# Allegro board 8880F5-0823_RXTX.brd (continued)
## Routing (per net, layer and track width the routed paths; a pad name or vN(x,y) marks a point on that pad's centre or on a via; arc(x,y) is an arc through that point) (continued)
183.59,91.44 ; D317.B10 182.88,90.73 ; D317.B10 182.17,91.44 ; D317.B10 182.88,92.15 ; SITE3.G6 253.81,181.33 ; SITE3.G6 252.85,181.33 ; SITE3.G6 253.33,181.81 ; SITE3.G6 253.33,180.85 ; D104.A9 328.47,33.02 ; D104.A9 327.66,33.83 ; D104.A9 327.66,32.21 ; D104.A9 326.85,33.02 ; 30.48,34.75 D128.A8 ; D128.A8 31.29,35.56 ; D128.A8 30.48,36.37 ; D128.A8 29.67,35.56 ; D122.B9 254.81,78.74 ; D122.B9 254,77.93 ; D122.B9 254,79.55 ; D122.B9 253.19,78.74 ; D132.B10 110.03,40.64 ; D132.B10 108.41,40.64 ; D132.B10 109.22,39.83 ; D132.B10 109.22,41.45 ; D116.A5 337.82,397.05 ; D116.A5 338.63,396.24 ; D116.A5 337.82,395.43 ; D116.A5 337.01,396.24 ; 43.18,77.93 D126.B13 ; D126.B13 43.99,78.74 ; D126.B13 43.18,79.55 ; D126.B13 42.37,78.74 ; SITE3.G5 252.33,181.81 ; SITE3.G5 251.85,181.33 ; SITE3.G5 252.81,181.33 ; SITE3.G5 252.33,180.85 ; 100.79,58.42 D131.B7 ; D131.B7 101.6,57.61 ; D131.B7 102.41,58.42 ; D131.B7 101.6,59.23 ; 309.17,66.04 D302.A2 ; D302.A2 309.88,65.33 ; D302.A2 309.88,66.75 ; D302.A2 310.59,66.04 ; 177.8,39.83 D120.B8 ; D120.B8 176.99,40.64 ; D120.B8 177.8,41.45 ; D120.B8 178.61,40.64 ; 327.66,329.39 D113.B9 ; D113.B9 326.85,330.2 ; D113.B9 328.47,330.2 ; D113.B9 327.66,331.01 ; D301.A15 343.61,83.82 ; D301.A15 342.19,83.82 ; D301.A15 342.9,84.53 ; D113.B3 343.71,330.2 ; D113.B3 342.09,330.2 ; D113.B3 342.9,329.39 ; D113.B3 342.9,331.01 ; D108.A12 409.75,35.56 ; D108.A12 408.94,36.37 ; D108.A12 408.94,34.75 ; D108.A12 408.13,35.56 ; D110.B16 384.35,347.98 ; D110.B16 383.54,348.79 ; D110.B16 382.73,347.98 ; D110.B16 383.54,347.17 ; D126.B15 49.07,78.74 ; D126.B15 48.26,79.55 ; D126.B15 48.26,77.93 ; D126.B15 47.45,78.74 ; D119.B1 160.83,58.42 ; D119.B1 160.02,59.23 ; D119.B1 160.02,57.61 ; D119.B1 159.21,58.42 ; D431.B9 181.15,381 ; D431.B9 180.34,381.81 ; D431.B9 180.34,380.19 ; D431.B9 179.53,381 ; 35.56,55.07 D127.A10 ; D127.A10 36.37,55.88 ; D127.A10 35.56,56.69 ; D127.A10 34.75,55.88 ; 249.03,182.35 SITE3.G13 ; SITE3.G13 249.51,182.83 ; SITE3.G13 249.03,183.31 ; SITE3.G13 248.55,182.83 ; D124.B7 248.92,38.91 ; D124.B7 248.11,38.1 ; D124.B7 249.73,38.1 ; D124.B7 248.92,37.29 ; D119.A3 165.91,53.34 ; D119.A3 165.1,54.15 ; D119.A3 164.29,53.34 ; D119.A3 165.1,52.53 ; D110.A12 393.7,353.87 ; D110.A12 392.89,353.06 ; D110.A12 393.7,352.25 ; D110.A12 394.51,353.06 ; 395.43,58.42 D107.B7 ; D107.B7 396.24,57.61 ; D107.B7 396.24,59.23 ; D107.B7 397.05,58.42 ; 414.02,331.93 D109.A4 ; D109.A4 414.83,332.74 ; D109.A4 414.02,333.55 ; D109.A4 413.21,332.74 ; 110.95,38.1 D132.B11 ; D132.B11 111.76,38.91 ; D132.B11 112.57,38.1 ; D132.B11 111.76,37.29 ; D110.A16 384.35,353.06 ; D110.A16 382.73,353.06 ; D110.A16 383.54,352.25 ; D110.A16 383.54,353.87 ; 233.68,57.61 D123.B1 ; D123.B1 234.49,58.42 ; D123.B1 232.87,58.42 ; D123.B1 233.68,59.23 ; D104.B11 333.55,38.1 ; D104.B11 332.74,37.29 ; D104.B11 331.93,38.1 ; CSDPS429.B14 168.45,342.9 ; CSDPS429.B14 166.83,342.9 ; CSDPS429.B14 167.64,343.71 ; CSDPS429.B14 167.64,342.09 ; 411.48,57.61 D107.B13 ; D107.B13 410.67,58.42 ; D107.B13 411.48,59.23 ; D107.B13 412.29,58.42 ; 259.08,62.79 D322.A11 ; D322.A11 259.79,63.5 ; D322.A11 259.08,64.21 ; D322.A11 258.37,63.5 ; D129.A4 94.79,96.52 ; D129.A4 93.17,96.52 ; D129.A4 93.98,95.71 ; D129.A4 93.98,97.33 ; 398.78,80.47 D106.B8 ; D106.B8 398.78,82.09 ; D106.B8 399.59,81.28 ; D106.B8 397.97,81.28 ; D102.B10 331.01,81.28 ; D102.B10 330.2,80.47 ; D102.B10 329.39,81.28 ; D102.B10 330.2,82.09 ; 419.1,70.41 D306.B16 ; D306.B16 419.81,71.12 ; D306.B16 418.39,71.12 ; 391.16,375.11 D111.A13 ; D111.A13 391.97,375.92 ; D111.A13 391.16,376.73 ; D111.A13 390.35,375.92 ; D114.B8 331.01,347.98 ; D114.B8 330.2,347.17 ; D114.B8 329.39,347.98 ; D114.B8 330.2,348.79 ; D114.A2 345.44,353.87 ; D114.A2 346.25,353.06 ; D114.A2 344.63,353.06 ; D114.A2 345.44,352.25 ; 166.83,35.56 D120.A4 ; D120.A4 168.45,35.56 ; D120.A4 167.64,36.37 ; D120.A4 167.64,34.75 ; 344.63,332.74 D113.A2 ; D113.A2 345.44,333.55 ; D113.A2 345.44,331.93 ; D113.A2 346.25,332.74 ; 314.15,353.06 D114.A14 ; D114.A14 314.96,353.87 ; D114.A14 315.77,353.06 ; D114.A14 314.96,352.25 ; 249.33,247.45 SITE1.G8 ; SITE1.G8 248.85,247.93 ; SITE1.G8 249.33,248.41 ; SITE1.G8 249.81,247.93 ; D108.A9 401.32,33.83 ; D108.A9 400.51,33.02 ; D108.A9 401.32,32.21 ; D108.A9 402.13,33.02 ; D125.B3 18.59,99.06 ; D125.B3 17.78,98.25 ; D125.B3 16.97,99.06 ; D125.B3 17.78,99.87 ; 189.69,78.74 D118.B13 ; D118.B13 190.5,77.93 ; D118.B13 191.31,78.74 ; D118.B13 190.5,79.55 ; 177.8,382.73 D431.A10 ; D431.A10 176.99,383.54 ; D431.A10 178.61,383.54 ; D431.A10 177.8,384.35 ; D107.A4 389.43,55.88 ; D107.A4 388.62,56.69 ; D107.A4 387.81,55.88 ; 171.91,378.46 D431.B12 ; D431.B12 172.72,379.27 ; D431.B12 173.53,378.46 ; D431.B12 172.72,377.65 ; D111.B10 399.59,368.3 ; D111.B10 398.78,369.11 ; D111.B10 398.78,367.49 ; D111.B10 397.97,368.3 ; D110.B8 403.86,348.79 ; D110.B8 404.67,347.98 ; D110.B8 403.86,347.17 ; D110.B8 403.05,347.98 ; 335.28,347.17 D114.B6 ; D114.B6 334.47,347.98 ; D114.B6 335.28,348.79 ; D114.B6 336.09,347.98 ; D112.B15 386.08,391.97 ; D112.B15 386.08,390.35 ; D112.B15 385.27,391.16 ; D112.B15 386.89,391.16 ; 182.07,373.38 D231.A8 ; D231.A8 182.88,372.57 ; D231.A8 182.88,374.19 ; D231.A8 183.69,373.38 ; D120.B9 180.34,38.91 ; D120.B9 181.15,38.1 ; D120.B9 179.53,38.1 ; D120.B9 180.34,37.29 ; 265.99,71.12 D322.B14 ; D322.B14 266.7,70.41 ; D322.B14 266.7,71.83 ; D322.B14 267.41,71.12 ; 47.45,53.34 D127.A15 ; D127.A15 48.26,52.53 ; D127.A15 48.26,54.15 ; D127.A15 49.07,53.34 ; 182.07,35.56 D120.A10 ; D120.A10 182.88,34.75 ; D120.A10 183.69,35.56 ; D120.A10 182.88,36.37 ; 118.57,60.96 D131.B14 ; D131.B14 119.38,61.77 ; D131.B14 120.19,60.96 ; D131.B14 119.38,60.15 ; 185.42,67.87 D318.B11 ; D318.B11 185.42,69.29 ; D318.B11 184.71,68.58 ; D318.B11 186.13,68.58 ; D118.A6 173.53,76.2 ; D118.A6 171.91,76.2 ; D118.A6 172.72,75.39 ; D118.A6 172.72,77.01 ; D103.A3 313.23,53.34 ; D103.A3 312.42,52.53 ; D103.A3 312.42,54.15 ; D103.A3 311.61,53.34 ; 174.45,330.2 CSDPS229.C11 ; CSDPS229.C11 176.07,330.2 ; CSDPS229.C11 175.26,331.01 ; CSDPS229.C11 175.26,329.39 ; D322.A3 238.76,64.21 ; D322.A3 239.47,63.5 ; D322.A3 238.05,63.5 ; D131.A5 96.52,54.15 ; D131.A5 95.71,53.34 ; D131.A5 97.33,53.34 ; D131.A5 96.52,52.53 ; 95.71,99.06 D129.B5 ; D129.B5 97.33,99.06 ; D129.B5 96.52,99.87 ; D129.B5 96.52,98.25 ; D231.B12 173.53,368.3 ; D231.B12 171.91,368.3 ; D231.B12 172.72,369.11 ; D231.B12 172.72,367.49 ; 248.33,247.45 SITE1.G7 ; SITE1.G7 247.85,247.93 ; SITE1.G7 248.81,247.93 ; SITE1.G7 248.33,248.41 ; D102.A4 315.77,76.2 ; D102.A4 314.15,76.2 ; D102.A4 314.96,75.39 ; D102.A4 314.96,77.01 ; D128.A10 36.37,35.56 ; D128.A10 34.75,35.56 ; D128.A10 35.56,36.37 ; D128.A10 35.56,34.75 ; D131.A4 94.79,55.88 ; D131.A4 93.98,55.07 ; D131.A4 93.98,56.69 ; D131.A4 93.17,55.88 ; 316.69,370.84 D115.B13 ; D115.B13 318.31,370.84 ; D115.B13 317.5,370.03 ; D115.B13 317.5,371.65 ; 192.33,66.04 D318.A14 ; D318.A14 193.04,66.75 ; D318.A14 193.04,65.33 ; D318.A14 193.75,66.04 ; D103.A16 345.44,56.69 ; D103.A16 345.44,55.07 ; D103.A16 344.63,55.88 ; D103.A16 346.25,55.88 ; 322.58,409.4 DPS2.C11 ; DPS2.C11 323.39,410.21 ; DPS2.C11 321.77,410.21 ; DPS2.C11 322.58,411.02 ; D431.A5 190.5,386.89 ; D431.A5 191.31,386.08 ; D431.A5 189.69,386.08 ; D431.A5 190.5,385.27 ; 34.75,76.2 D126.A10 ; D126.A10 35.56,75.39 ; D126.A10 35.56,77.01 ; D126.A10 36.37,76.2 ; D124.B1 234.49,38.1 ; D124.B1 233.68,37.29 ; D124.B1 233.68,38.91 ; D124.B1 232.87,38.1 ; D119.B4 167.64,61.77 ; D119.B4 166.83,60.96 ; D119.B4 167.64,60.15 ; D119.B4 168.45,60.96 ; 185.42,88.19 D317.B11 ; D317.B11 186.13,88.9 ; D317.B11 184.71,88.9 ; D317.B11 185.42,89.61 ; 193.04,367.49 D231.B4 ; D231.B4 193.04,369.11 ; D231.B4 192.23,368.3 ; D231.B4 193.85,368.3 ; SITE3.G3 250.33,181.81 ; SITE3.G3 250.33,180.85 ; SITE3.G3 250.81,181.33 ; SITE3.G3 249.85,181.33 ; D107.A11 407.21,53.34 ; D107.A11 405.59,53.34 ; D107.A11 406.4,52.53 ; D107.A11 406.4,54.15 ; D305.A1 381.71,83.82 ; D305.A1 380.29,83.82 ; D305.A1 381,84.53 ; D305.A1 381,83.11 ; D431.B4 193.04,379.27 ; D431.B4 193.04,377.65 ; D431.B4 192.23,378.46 ; D431.B4 193.85,378.46 ; 160.02,88.19 D317.B1 ; D317.B1 159.31,88.9 ; D317.B1 160.02,89.61 ; D317.B1 160.73,88.9 ; D318.A1 160.73,63.5 ; D318.A1 160.02,64.21 ; D318.A1 159.31,63.5 ; D129.A10 109.22,97.33 ; D129.A10 108.41,96.52 ; D129.A10 109.22,95.71 ; D129.A10 110.03,96.52 ; 413.31,86.36 D305.A14 ; D305.A14 414.02,87.07 ; D305.A14 414.73,86.36 ; D305.A14 414.02,85.65 ; D126.A15 49.07,73.66 ; D126.A15 47.45,73.66 ; D126.A15 48.26,74.47 ; D126.A15 48.26,72.85 ; D318.B14 193.04,71.83 ; D318.B14 193.04,70.41 ; D318.B14 193.75,71.12 ; D318.B14 192.33,71.12 ; UNK3U1.4 97.29,162.79 ; UNK3U1.4 98.23,161.85 ; UNK3U1.4 96.35,161.85 ; UNK3U1.4 97.29,160.91 ; D106.A3 386.89,73.66 ; D106.A3 385.27,73.66 ; D106.A3 386.08,72.85 ; D106.A3 386.08,74.47 ; 104.14,55.07 D131.A8 ; D131.A8 104.95,55.88 ; D131.A8 103.33,55.88 ; D131.A8 104.14,56.69 ; 312.42,83.11 D301.A3 ; D301.A3 313.13,83.82 ; D301.A3 311.71,83.82 ; D301.A3 312.42,84.53 ; 403.05,327.66 D109.B8 ; D109.B8 404.67,327.66 ; D109.B8 403.86,328.47 ; D109.B8 403.86,326.85 ; 396.24,83.11 D305.A7 ; D305.A7 395.53,83.82 ; D305.A7 396.24,84.53 ; D305.A7 396.95,83.82 ; 332.63,242.35 SITE2.G16 ; SITE2.G16 333.11,242.83 ; SITE2.G16 332.63,243.31 ; SITE2.G16 332.15,242.83 ; D302.B4 315.67,71.12 ; D302.B4 314.96,71.83 ; D302.B4 314.96,70.41 ; D302.B4 314.25,71.12 ; D110.B10 398.78,348.79 ; D110.B10 399.59,347.98 ; D110.B10 397.97,347.98 ; D110.B10 398.78,347.17 ; 271.78,342.09 CSDPS425.B2 ; CSDPS425.B2 271.78,343.71 ; CSDPS425.B2 270.97,342.9 ; CSDPS425.B2 272.59,342.9 ; 159.21,375.92 D231.A17 ; D231.A17 160.02,375.11 ; D231.A17 160.83,375.92 ; D231.A17 160.02,376.73 ; 413.21,55.88 D107.A14 ; D107.A14 414.02,56.69 ; D107.A14 414.83,55.88 ; D128.A1 12.7,33.83 ; D128.A1 13.51,33.02 ; D128.A1 12.7,32.21 ; D128.A1 11.89,33.02 ; CSDPS229.B10 177.8,333.55 ; CSDPS229.B10 176.99,332.74 ; CSDPS229.B10 178.61,332.74 ; CSDPS229.B10 177.8,331.93 ; D116.B3 343.71,391.16 ; D116.B3 342.9,391.97 ; D116.B3 342.9,390.35 ; D116.B3 342.09,391.16 ; D130.A4 93.98,77.01 ; D130.A4 93.98,75.39 ; D130.A4 94.79,76.2 ; D130.A4 93.17,76.2 ; 254,52.53 D123.A9 ; D123.A9 254,54.15 ; D123.A9 253.19,53.34 ; D123.A9 254.81,53.34 ; SITE1.G10 251.33,248.41 ; SITE1.G10 250.85,247.93 ; SITE1.G10 251.81,247.93 ; SITE1.G10 251.33,247.45 ; D118.B7 176.07,78.74 ; D118.B7 175.26,77.93 ; D118.B7 175.26,79.55 ; D118.B7 174.45,78.74 ; 14.43,60.96 D127.B2 ; D127.B2 15.24,60.15 ; D127.B2 15.24,61.77 ; D127.B2 16.05,60.96 ; D322.A5 243.84,64.21 ; D322.A5 244.55,63.5 ; D322.A5 243.13,63.5 ; 270.97,81.28 D122.B16 ; D122.B16 271.78,80.47 ; D122.B16 271.78,82.09 ; D122.B16 272.59,81.28 ; D112.A1 421.64,397.05 ; D112.A1 422.45,396.24 ; D112.A1 421.64,395.43 ; D112.A1 420.83,396.24 ; SITE4.G15 331.43,183.31 ; SITE4.G15 331.91,182.83 ; SITE4.G15 330.95,182.83 ; SITE4.G15 331.43,182.35 ; D115.B16 309.88,369.11 ; D115.B16 309.07,368.3 ; D115.B16 310.69,368.3 ; D115.B16 309.88,367.49 ; D301.A6 320.75,86.36 ; D301.A6 320.04,87.07 ; D301.A6 319.33,86.36 ; D301.A6 320.04,85.65 ; D113.B14 314.96,328.47 ; D113.B14 314.15,327.66 ; D113.B14 314.96,326.85 ; D113.B14 315.77,327.66 ; D317.A14 193.75,86.36 ; D317.A14 193.04,87.07 ; D317.A14 193.04,85.65 ; D317.A14 192.33,86.36 ; D114.A15 312.42,356.41 ; D114.A15 313.23,355.6 ; D114.A15 311.61,355.6 ; D114.A15 312.42,354.79 ; D106.A10 404.67,76.2 ; D106.A10 403.86,75.39 ; D106.A10 403.05,76.2 ; D106.A10 403.86,77.01 ; D110.A2 419.91,353.06 ; D110.A2 418.29,353.06 ; D110.A2 419.1,352.25 ; D110.A2 419.1,353.87 ; 251.46,39.83 D124.B8 ; D124.B8 251.46,41.45 ; D124.B8 252.27,40.64 ; D124.B8 250.65,40.64 ; 339.55,388.62 D116.B4 ; D116.B4 340.36,387.81 ; D116.B4 341.17,388.62 ; D116.B4 340.36,389.43 ; 331.43,242.35 SITE2.G15 ; SITE2.G15 330.95,242.83 ; SITE2.G15 331.91,242.83 ; SITE2.G15 331.43,243.31 ; D126.B3 18.59,78.74 ; D126.B3 17.78,77.93 ; D126.B3 17.78,79.55 ; D126.B3 16.97,78.74 ; 403.86,65.33 D306.A10 ; D306.A10 403.15,66.04 ; D306.A10 403.86,66.75 ; D306.A10 404.57,66.04 ; D431.A9 181.15,386.08 ; D431.A9 180.34,386.89 ; D431.A9 179.53,386.08 ; D431.A9 180.34,385.27 ; 414.02,392.89 D112.A4 ; D112.A4 413.21,393.7 ; D112.A4 414.02,394.51 ; D112.A4 414.83,393.7 ; 245.67,86.36 D321.A6 ; D321.A6 246.38,87.07 ; D321.A6 247.09,86.36 ; D321.A6 246.38,85.65 ; D112.A10 399.59,393.7 ; D112.A10 398.78,394.51 ; D112.A10 397.97,393.7 ; D112.A10 398.78,392.89 ; 266.7,65.33 D322.A14 ; D322.A14 266.7,66.75 ; D322.A14 267.41,66.04 ; D322.A14 265.99,66.04 ; 100.79,33.02 D132.A7 ; D132.A7 101.6,33.83 ; D132.A7 102.41,33.02 ; D132.A7 101.6,32.21 ; D102.B11 332.74,79.55 ; D102.B11 332.74,77.93 ; D102.B11 333.55,78.74 ; D102.B11 331.93,78.74 ; D113.B7 333.55,330.2 ; D113.B7 332.74,329.39 ; D113.B7 332.74,331.01 ; D113.B7 331.93,330.2 ; D305.B1 381.71,88.9 ; D305.B1 381,88.19 ; D305.B1 380.29,88.9 ; D305.B1 381,89.61 ; D116.A15 313.23,396.24 ; D116.A15 311.61,396.24 ; D116.A15 312.42,395.43 ; D116.A15 312.42,397.05 ; D103.B10 330.2,61.77 ; D103.B10 331.01,60.96 ; D103.B10 330.2,60.15 ; D103.B10 329.39,60.96 ; 246.38,75.39 D122.A6 ; D122.A6 245.57,76.2 ; D122.A6 246.38,77.01 ; D122.A6 247.19,76.2 ; 96.52,32.21 D132.A5 ; D132.A5 97.33,33.02 ; D132.A5 95.71,33.02 ; D132.A5 96.52,33.83 ; 256.54,70.41 D322.B10 ; D322.B10 257.25,71.12 ; D322.B10 255.83,71.12 ; D322.B10 256.54,71.83 ; D132.A1 87.17,33.02 ; D132.A1 86.36,32.21 ; D132.A1 85.55,33.02 ; D132.A1 86.36,33.83 ; D113.B10 325.12,328.47 ; D113.B10 325.12,326.85 ; D113.B10 324.31,327.66 ; D113.B10 325.93,327.66 ; SITE1.G18 250.71,246.43 ; SITE1.G18 250.23,245.95 ; SITE1.G18 249.75,246.43 ; SITE1.G18 250.23,246.91 ; 250.85,181.33 SITE3.G4 ; SITE3.G4 251.33,181.81 ; SITE3.G4 251.81,181.33 ; SITE3.G4 251.33,180.85 ; CSDPS425.C7 259.89,340.36 ; CSDPS425.C7 258.27,340.36 ; CSDPS425.C7 259.08,341.17 ; CSDPS425.C7 259.08,339.55 ; SITE4.G9 330.33,188.41 ; SITE4.G9 329.85,187.93 ; SITE4.G9 330.81,187.93 ; SITE4.G9 330.33,187.45 ; 232.87,33.02 D124.A1 ; D124.A1 234.49,33.02 ; D124.A1 233.68,33.83 ; D124.A1 233.68,32.21 ; D110.A4 414.83,353.06 ; D110.A4 413.21,353.06 ; D110.A4 414.02,353.87 ; D110.A4 414.02,352.25 ; 237.95,73.66 D122.A3 ; D122.A3 238.76,74.47 ; D122.A3 239.57,73.66 ; D122.A3 238.76,72.85 ; 395.43,350.52 D110.B11 ; D110.B11 397.05,350.52 ; D110.B11 396.24,349.71 ; D110.B11 396.24,351.33 ; CSDPS229.B2 198.93,332.74 ; CSDPS229.B2 198.12,333.55 ; CSDPS229.B2 198.12,331.93 ; CSDPS229.B2 197.31,332.74 ; 381,13.16 DPS1.A01 ; DPS1.A01 381,14.78 ; DPS1.A01 381.81,13.97 ; DPS1.A01 380.19,13.97 ; D127.B11 38.1,59.23 ; D127.B11 38.91,58.42 ; D127.B11 37.29,58.42 ; D127.B11 38.1,57.61 ; D114.B1 347.98,351.33 ; D114.B1 347.17,350.52 ; D114.B1 347.98,349.71 ; D114.B1 348.79,350.52 ; 337.82,414.48 DPS2.A05 ; DPS2.A05 338.63,415.29 ; DPS2.A05 337.01,415.29 ; DPS2.A05 337.82,416.1 ; 24.59,40.64 D128.B6 ; D128.B6 26.21,40.64 ; D128.B6 25.4,41.45 ; D128.B6 25.4,39.83 ; 105.87,38.1 D132.B9 ; D132.B9 106.68,37.29 ; D132.B9 106.68,38.91 ; D132.B9 107.49,38.1 ; 327.66,37.29 D104.B9 ; D104.B9 328.47,38.1 ; D104.B9 326.85,38.1 ; D131.A9 107.49,53.34 ; D131.A9 105.87,53.34 ; D131.A9 106.68,52.53 ; D131.A9 106.68,54.15 ; D114.B10 325.93,347.98 ; D114.B10 325.12,348.79 ; D114.B10 324.31,347.98 ; D114.B10 325.12,347.17 ; 396.24,354.79 D110.A11 ; D110.A11 395.43,355.6 ; D110.A11 397.05,355.6 ; D110.A11 396.24,356.41 ; 391.16,32.21 D108.A5 ; D108.A5 391.16,33.83 ; D108.A5 390.35,33.02 ; D108.A5 391.97,33.02 ; 329.03,185.95 SITE4.G17 ; SITE4.G17 328.55,186.43 ; SITE4.G17 329.03,186.91 ; SITE4.G17 329.51,186.43 ; 241.3,85.65 D321.A4 ; D321.A4 241.3,87.07 ; D321.A4 240.59,86.36 ; D321.A4 242.01,86.36 ; 180.34,62.79 D318.A9 ; D318.A9 180.34,64.21 ; D318.A9 181.05,63.5 ; D318.A9 179.63,63.5 ; 251.46,331.93 CSDPS225.B10 ; CSDPS225.B10 251.46,333.55 ; CSDPS225.B10 250.65,332.74 ; CSDPS225.B10 252.27,332.74 ; 111.76,77.93 D130.B11 ; D130.B11 112.57,78.74 ; D130.B11 111.76,79.55 ; D130.B11 110.95,78.74 ; D118.A2 162.56,77.01 ; D118.A2 163.37,76.2 ; D118.A2 161.75,76.2 ; D118.A2 162.56,75.39 ; D301.B16 346.15,91.44 ; D301.B16 345.44,90.73 ; D301.B16 345.44,92.15 ; D301.B16 344.73,91.44 ; D120.B1 160.02,38.91 ; D120.B1 160.02,37.29 ; D120.B1 160.83,38.1 ; D120.B1 159.21,38.1 ; D103.B4 315.77,60.96 ; D103.B4 314.15,60.96 ; D103.B4 314.96,61.77 ; D103.B4 314.96,60.15 ; D104.A12 335.28,36.37 ; D104.A12 336.09,35.56 ; D104.A12 335.28,34.75 ; D104.A12 334.47,35.56 ; CSDPS225.C9 254.81,330.2 ; CSDPS225.C9 254,329.39 ; CSDPS225.C9 254,331.01 ; CSDPS225.C9 253.19,330.2 ; D126.A5 22.86,74.47 ; D126.A5 22.05,73.66 ; D126.A5 23.67,73.66 ; D126.A5 22.86,72.85 ; D124.A11 259.08,33.83 ; D124.A11 259.89,33.02 ; D124.A11 258.27,33.02 ; D124.A11 259.08,32.21 ; 314.96,331.93 D113.A14 ; D113.A14 314.15,332.74 ; D113.A14 315.77,332.74 ; D113.A14 314.96,333.55 ; D127.A7 27.94,54.15 ; D127.A7 27.94,52.53 ; D127.A7 28.75,53.34 ; D127.A7 27.13,53.34 ; D123.A11 259.89,53.34 ; D123.A11 258.27,53.34 ; D123.A11 259.08,52.53 ; D123.A11 259.08,54.15 ; D104.A10 330.2,36.37 ; D104.A10 330.2,34.75 ; D104.A10 329.39,35.56 ; D104.A10 331.01,35.56 ; 309.07,373.38 D115.A16 ; D115.A16 310.69,373.38 ; D115.A16 309.88,374.19 ; D115.A16 309.88,372.57 ; D431.A14 168.45,383.54 ; D431.A14 166.83,383.54 ; D431.A14 167.64,382.73 ; D431.A14 167.64,384.35 ; D129.A11 111.76,94.79 ; D129.A11 110.95,93.98 ; D129.A11 111.76,93.17 ; D129.A11 112.57,93.98 ; 124.46,95.71 D129.A16 ; D129.A16 125.27,96.52 ; D129.A16 123.65,96.52 ; D129.A16 124.46,97.33 ; D112.B11 397.05,391.16 ; D112.B11 396.24,390.35 ; D112.B11 395.43,391.16 ; D112.B11 396.24,391.97 ; D107.A9 402.13,53.34 ; D107.A9 401.32,54.15 ; D107.A9 401.32,52.53 ; D107.A9 400.51,53.34 ; 383.54,372.57 D111.A16 ; D111.A16 382.73,373.38 ; D111.A16 383.54,374.19 ; D111.A16 384.35,373.38 ; 410.67,370.84 D111.B5 ; D111.B5 411.48,370.03 ; D111.B5 411.48,371.65 ; D111.B5 412.29,370.84 ; D119.A13 190.5,54.15 ; D119.A13 191.31,53.34 ; D119.A13 189.69,53.34 ; D119.A13 190.5,52.53 ; D306.B13 412.19,68.58 ; D306.B13 411.48,67.87 ; D306.B13 410.77,68.58 ; D306.B13 411.48,69.29 ; D306.A4 388.62,66.75 ; D306.A4 389.33,66.04 ; D306.A4 388.62,65.33 ; D306.A4 387.91,66.04 ; 418.29,35.56 D108.A16 ; D108.A16 419.1,36.37 ; D108.A16 419.91,35.56 ; D108.A16 419.1,34.75 ; 33.02,37.29 D128.B9 ; D128.B9 33.02,38.91 ; D128.B9 32.21,38.1 ; D128.B9 33.83,38.1 ; 411.48,77.93 D106.B13 ; D106.B13 412.29,78.74 ; D106.B13 411.48,79.55 ; D106.B13 410.67,78.74 ; 27.94,32.21 D128.A7 ; D128.A7 27.13,33.02 ; D128.A7 28.75,33.02 ; D128.A7 27.94,33.83 ; D123.A1 234.49,53.34 ; D123.A1 233.68,52.53 ; D123.A1 233.68,54.15 ; D123.A1 232.87,53.34 ; CSDPS229.C15 165.91,330.2 ; CSDPS229.C15 164.29,330.2 ; CSDPS229.C15 165.1,331.01 ; CSDPS229.C15 165.1,329.39 ; 19.51,96.52 D125.A4 ; D125.A4 20.32,97.33 ; D125.A4 21.13,96.52 ; D125.A4 20.32,95.71 ; D305.B14 414.73,91.44 ; D305.B14 414.02,90.73 ; D305.B14 413.31,91.44 ; D122.A8 251.46,77.01 ; D122.A8 250.65,76.2 ; D122.A8 251.46,75.39 ; D122.A8 252.27,76.2 ; D132.B15 122.73,38.1 ; D132.B15 121.92,38.91 ; D132.B15 121.11,38.1 ; D132.B15 121.92,37.29 ; 386.08,83.11 D305.A3 ; D305.A3 386.08,84.53 ; D305.A3 385.37,83.82 ; D305.A3 386.79,83.82 ; D115.B9 327.66,371.65 ; D115.B9 327.66,370.03 ; D115.B9 328.47,370.84 ; D115.B9 326.85,370.84 ; 314.15,55.88 D103.A4 ; D103.A4 314.96,55.07 ; D103.A4 314.96,56.69 ; D103.A4 315.77,55.88 ; 184.61,330.2 CSDPS229.C7 ; CSDPS229.C7 185.42,329.39 ; CSDPS229.C7 186.23,330.2 ; CSDPS229.C7 185.42,331.01 ; 265.89,40.64 D124.B14 ; D124.B14 267.51,40.64 ; D124.B14 266.7,39.83 ; D124.B14 266.7,41.45 ; D431.B14 167.64,379.27 ; D431.B14 167.64,377.65 ; D431.B14 168.45,378.46 ; D431.B14 166.83,378.46 ; 332.03,83.82 D301.A11 ; D301.A11 332.74,84.53 ; D301.A11 333.45,83.82 ; D301.A11 332.74,83.11 ; D102.A8 325.12,77.01 ; D102.A8 325.12,75.39 ; D102.A8 324.31,76.2 ; D102.A8 325.93,76.2 ; 330.85,241.33 SITE2.G4 ; SITE2.G4 331.81,241.33 ; SITE2.G4 331.33,241.81 ; SITE2.G4 331.33,240.85 ; 342.9,32.21 D104.A15 ; D104.A15 342.09,33.02 ; D104.A15 343.71,33.02 ; D104.A15 342.9,33.83 ; D126.A12 40.64,77.01 ; D126.A12 39.83,76.2 ; D126.A12 40.64,75.39 ; D126.A12 41.45,76.2 ; D111.A3 417.37,375.92 ; D111.A3 416.56,376.73 ; D111.A3 416.56,375.11 ; D111.A3 415.75,375.92 ; 247.85,241.33 SITE1.G1 ; SITE1.G1 248.81,241.33 ; SITE1.G1 248.33,240.85 ; SITE1.G1 248.33,241.81 ; 421.64,329.39 D109.B1 ; D109.B1 420.83,330.2 ; D109.B1 422.45,330.2 ; D109.B1 421.64,331.01 ; 331.93,73.66 D102.A11 ; D102.A11 332.74,74.47 ; D102.A11 332.74,72.85 ; D102.A11 333.55,73.66 ; D231.B1 200.66,371.65 ; D231.B1 201.47,370.84 ; D231.B1 199.85,370.84 ; D231.B1 200.66,370.03 ; D306.B5 391.16,69.29 ; D306.B5 391.16,67.87 ; D306.B5 390.45,68.58 ; D306.B5 391.87,68.58 ; CSDPS425.C5 264.97,340.36 ; CSDPS425.C5 264.16,339.55 ; CSDPS425.C5 263.35,340.36 ; CSDPS425.C5 264.16,341.17 ; D104.A11 333.55,33.02 ; D104.A11 331.93,33.02 ; D104.A11 332.74,32.21 ; D104.A11 332.74,33.83 ; 258.27,330.2 CSDPS225.C7 ; CSDPS225.C7 259.08,329.39 ; CSDPS225.C7 259.89,330.2 ; CSDPS225.C7 259.08,331.01 ; D106.B14 414.02,82.09 ; D106.B14 414.02,80.47 ; D106.B14 413.21,81.28 ; D106.B14 414.83,81.28 ; 252.15,182.83 SITE3.G16 ; SITE3.G16 252.63,183.31 ; SITE3.G16 252.63,182.35 ; SITE3.G16 253.11,182.83 ; D112.A16 384.35,393.7 ; D112.A16 383.54,392.89 ; D112.A16 383.54,394.51 ; D112.A16 382.73,393.7 ; 265.89,332.74 CSDPS225.B4 ; CSDPS225.B4 266.7,331.93 ; CSDPS225.B4 267.51,332.74 ; CSDPS225.B4 266.7,333.55 ; D111.B1 421.64,371.65 ; D111.B1 422.45,370.84 ; D111.B1 421.64,370.03 ; D111.B1 420.83,370.84 ; D318.A7 175.26,64.21 ; D318.A7 175.97,63.5 ; D318.A7 174.55,63.5 ; D318.A7 175.26,62.79 ; 187.96,85.65 D317.A12 ; D317.A12 187.25,86.36 ; D317.A12 187.96,87.07 ; D317.A12 188.67,86.36 ; 101.6,93.17 D129.A7 ; D129.A7 100.79,93.98 ; D129.A7 101.6,94.79 ; D129.A7 102.41,93.98 ; D114.A3 342.9,356.41 ; D114.A3 343.71,355.6 ; D114.A3 342.9,354.79 ; D114.A3 342.09,355.6 ; D132.A15 121.92,33.83 ; D132.A15 121.92,32.21 ; D132.A15 121.11,33.02 ; D132.A15 122.73,33.02 ; D129.A1 86.36,94.79 ; D129.A1 86.36,93.17 ; D129.A1 87.17,93.98 ; D129.A1 85.55,93.98 ; D108.A1 381,33.83 ; D108.A1 381.81,33.02 ; D108.A1 381,32.21 ; D108.A1 380.19,33.02 ; 198.12,377.65 D431.B2 ; D431.B2 198.12,379.27 ; D431.B2 198.93,378.46 ; D431.B2 197.31,378.46 ; D106.B11 406.4,79.55 ; D106.B11 407.21,78.74 ; D106.B11 405.59,78.74 ; D106.B11 406.4,77.93 ; D119.A1 160.83,53.34 ; D119.A1 159.21,53.34 ; D119.A1 160.02,52.53 ; D119.A1 160.02,54.15 ; 50.8,95.71 D125.A16 ; D125.A16 50.8,97.33 ; D125.A16 49.99,96.52 ; D125.A16 51.61,96.52 ; D104.B6 320.85,40.64 ; D104.B6 319.23,40.64 ; D104.B6 320.04,39.83 ; D104.B6 320.04,41.45 ; D122.B15 270.05,78.74 ; D122.B15 268.43,78.74 ; D122.B15 269.24,79.55 ; D122.B15 269.24,77.93 ; D301.A14 340.36,87.07 ; D301.A14 341.07,86.36 ; D301.A14 340.36,85.65 ; D301.A14 339.65,86.36 ; D102.B12 335.28,82.09 ; D102.B12 335.28,80.47 ; D102.B12 336.09,81.28 ; D102.B12 334.47,81.28 ; 243.84,32.21 D124.A5 ; D124.A5 243.84,33.83 ; D124.A5 244.65,33.02 ; D124.A5 243.03,33.02 ; 251.46,34.75 D124.A8 ; D124.A8 251.46,36.37 ; D124.A8 252.27,35.56 ; D124.A8 250.65,35.56 ; D119.A16 198.12,56.69 ; D119.A16 197.31,55.88 ; D119.A16 198.12,55.07 ; D119.A16 198.93,55.88 ; D106.B7 396.24,79.55 ; D106.B7 395.43,78.74 ; D106.B7 396.24,77.93 ; D106.B7 397.05,78.74 ; D305.A12 409.65,86.36 ; D305.A12 408.23,86.36 ; D305.A12 408.94,87.07 ; D305.A12 408.94,85.65 ; 330.23,182.35 SITE4.G14 ; SITE4.G14 330.23,183.31 ; SITE4.G14 330.71,182.83 ; SITE4.G14 329.75,182.83 ; D116.A4 340.36,394.51 ; D116.A4 340.36,392.89 ; D116.A4 339.55,393.7 ; D116.A4 341.17,393.7 ; D112.B10 398.78,389.43 ; D112.B10 398.78,387.81 ; D112.B10 399.59,388.62 ; D112.B10 397.97,388.62 ; D112.B7 406.4,391.97 ; D112.B7 405.59,391.16 ; D112.B7 407.21,391.16 ; D112.B7 406.4,390.35 ; 105.87,78.74 D130.B9 ; D130.B9 106.68,79.55 ; D130.B9 107.49,78.74 ; D130.B9 106.68,77.93 ; D114.A16 310.69,353.06 ; D114.A16 309.88,353.87 ; D114.A16 309.07,353.06 ; D114.A16 309.88,352.25 ; D119.A7 176.07,53.34 ; D119.A7 174.45,53.34 ; D119.A7 175.26,54.15 ; D119.A7 175.26,52.53 ; D116.A14 314.96,394.51 ; D116.A14 315.77,393.7 ; D116.A14 314.96,392.89 ; D116.A14 314.15,393.7 ; SITE3.G19 251.43,186.91 ; SITE3.G19 251.43,185.95 ; SITE3.G19 250.95,186.43 ; SITE3.G19 251.91,186.43 ; D103.B15 343.71,58.42 ; D103.B15 342.9,59.23 ; D103.B15 342.09,58.42 ; D103.B15 342.9,57.61 ; D126.A7 27.94,74.47 ; D126.A7 27.13,73.66 ; D126.A7 27.94,72.85 ; D126.A7 28.75,73.66 ; 159.21,370.84 D231.B17 ; D231.B17 160.02,370.03 ; D231.B17 160.02,371.65 ; D231.B17 160.83,370.84 ; D120.B2 162.56,41.45 ; D120.B2 162.56,39.83 ; D120.B2 161.75,40.64 ; D120.B2 163.37,40.64 ; D109.A2 419.91,332.74 ; D109.A2 419.1,333.55 ; D109.A2 419.1,331.93 ; D109.A2 418.29,332.74 ; 260.81,81.28 D122.B12 ; D122.B12 262.43,81.28 ; D122.B12 261.62,80.47 ; D122.B12 261.62,82.09 ; D116.B8 330.2,389.43 ; D116.B8 329.39,388.62 ; D116.B8 330.2,387.81 ; D116.B8 331.01,388.62 ; 241.3,90.73 D321.B4 ; D321.B4 241.3,92.15 ; D321.B4 240.59,91.44 ; D321.B4 242.01,91.44 ; 114.3,34.75 D132.A12 ; D132.A12 114.3,36.37 ; D132.A12 115.11,35.56 ; D132.A12 113.49,35.56 ; D317.B14 193.75,91.44 ; D317.B14 193.04,90.73 ; D317.B14 193.04,92.15 ; D317.B14 192.33,91.44 ; D119.B9 180.34,59.23 ; D119.B9 180.34,57.61 ; D119.B9 181.15,58.42 ; D119.B9 179.53,58.42 ; 393.7,39.83 D108.B6 ; D108.B6 394.51,40.64 ; D108.B6 392.89,40.64 ; D108.B6 393.7,41.45 ; D130.A9 106.68,74.47 ; D130.A9 107.49,73.66 ; D130.A9 106.68,72.85 ; D130.A9 105.87,73.66 ; 418.29,327.66 D109.B2 ; D109.B2 419.1,326.85 ; D109.B2 419.1,328.47 ; D109.B2 419.91,327.66 ; D115.B12 320.04,369.11 ; D115.B12 320.85,368.3 ; D115.B12 319.23,368.3 ; D115.B12 320.04,367.49 ; D124.B15 269.24,38.91 ; D124.B15 270.05,38.1 ; D124.B15 268.43,38.1 ; D124.B15 269.24,37.29 ; 345.44,80.47 D102.B16 ; D102.B16 346.25,81.28 ; D102.B16 344.63,81.28 ; 332.85,187.93 SITE4.G12 ; SITE4.G12 333.33,187.45 ; SITE4.G12 333.33,188.41 ; SITE4.G12 333.81,187.93 ; D112.A13 391.16,397.05 ; D112.A13 391.16,395.43 ; D112.A13 390.35,396.24 ; D112.A13 391.97,396.24 ; 395.53,88.9 D305.B7 ; D305.B7 396.95,88.9 ; D305.B7 396.24,89.61 ; D305.B7 396.24,88.19 ; 387.81,40.64 D108.B4 ; D108.B4 389.43,40.64 ; D108.B4 388.62,41.45 ; D108.B4 388.62,39.83 ; 249.85,187.93 SITE3.G9 ; SITE3.G9 250.33,187.45 ; SITE3.G9 250.81,187.93 ; SITE3.G9 250.33,188.41 ; 256.54,90.73 D321.B10 ; D321.B10 255.83,91.44 ; D321.B10 256.54,92.15 ; D321.B10 257.25,91.44 ; D118.A12 188.77,76.2 ; D118.A12 187.15,76.2 ; D118.A12 187.96,77.01 ; D118.A12 187.96,75.39 ; 237.95,38.1 D124.B3 ; D124.B3 238.76,38.91 ; D124.B3 239.57,38.1 ; D124.B3 238.76,37.29 ; D306.B8 399.49,71.12 ; D306.B8 398.07,71.12 ; D306.B8 398.78,70.41 ; D306.B8 398.78,71.83 ; 192.23,35.56 D120.A14 ; D120.A14 193.04,36.37 ; D120.A14 193.85,35.56 ; D120.A14 193.04,34.75 ; D111.B13 391.97,370.84 ; D111.B13 391.16,370.03 ; D111.B13 390.35,370.84 ; D111.B13 391.16,371.65 ; D125.B2 15.24,102.41 ; D125.B2 15.24,100.79 ; D125.B2 16.05,101.6 ; D125.B2 14.43,101.6 ; D103.B1 308.15,58.42 ; D103.B1 307.34,57.61 ; D103.B1 307.34,59.23 ; D103.B1 306.53,58.42 ; D301.B13 337.82,89.61 ; D301.B13 337.82,88.19 ; D301.B13 337.11,88.9 ; D301.B13 338.53,88.9 ; CSDPS429.C13 170.99,340.36 ; CSDPS429.C13 170.18,339.55 ; CSDPS429.C13 169.37,340.36 ; CSDPS429.C13 170.18,341.17 ; D129.B3 92.25,99.06 ; D129.B3 91.44,99.87 ; D129.B3 90.63,99.06 ; D129.B3 91.44,98.25 ; 393.7,347.17 D110.B12 ; D110.B12 393.7,348.79 ; D110.B12 392.89,347.98 ; D110.B12 394.51,347.98 ; 325.12,65.33 D302.A8 ; D302.A8 325.83,66.04 ; D302.A8 324.41,66.04 ; D302.A8 325.12,66.75 ; 193.04,372.57 D231.A4 ; D231.A4 193.04,374.19 ; D231.A4 193.85,373.38 ; D231.A4 192.23,373.38 ; D128.A3 17.78,33.83 ; D128.A3 18.59,33.02 ; D128.A3 16.97,33.02 ; D128.A3 17.78,32.21 ; 27.13,99.06 D125.B7 ; D125.B7 27.94,99.87 ; D125.B7 28.75,99.06 ; D125.B7 27.94,98.25 ; D127.B5 23.67,58.42 ; D127.B5 22.05,58.42 ; D127.B5 22.86,59.23 ; D127.B5 22.86,57.61 ; SITE4.G5 332.33,181.81 ; SITE4.G5 332.33,180.85 ; SITE4.G5 331.85,181.33 ; SITE4.G5 332.81,181.33 ; D114.A11 322.58,356.41 ; D114.A11 322.58,354.79 ; D114.A11 323.39,355.6 ; D114.A11 321.77,355.6 ; 172.72,90.73 D317.B6 ; D317.B6 172.72,92.15 ; D317.B6 173.43,91.44 ; D317.B6 172.01,91.44 ; D301.B11 332.74,89.61 ; D301.B11 332.74,88.19 ; D301.B11 333.45,88.9 ; D301.B11 332.03,88.9 ; 111.76,52.53 D131.A11 ; D131.A11 111.76,54.15 ; D131.A11 112.57,53.34 ; D131.A11 110.95,53.34 ; 123.65,60.96 D131.B16 ; D131.B16 124.46,60.15 ; D131.B16 124.46,61.77 ; D131.B16 125.27,60.96 ; 329.49,66.04 D302.A10 ; D302.A10 330.91,66.04 ; D302.A10 330.2,65.33 ; D302.A10 330.2,66.75 ; 347.17,330.2 D113.B1 ; D113.B1 347.98,331.01 ; D113.B1 348.79,330.2 ; D113.B1 347.98,329.39 ; D318.A15 195.58,64.21 ; D318.A15 194.87,63.5 ; D318.A15 196.29,63.5 ; 185.42,77.93 D118.B11 ; D118.B11 185.42,79.55 ; D118.B11 186.23,78.74 ; D118.B11 184.61,78.74 ; D306.A6 393.7,66.75 ; D306.A6 393.7,65.33 ; D306.A6 392.99,66.04 ; D306.A6 394.41,66.04 ; 238.76,57.61 D123.B3 ; D123.B3 239.57,58.42 ; D123.B3 238.76,59.23 ; D123.B3 237.95,58.42 ; 335.28,367.49 D115.B6 ; D115.B6 336.09,368.3 ; D115.B6 334.47,368.3 ; D115.B6 335.28,369.11 ; D128.A5 23.67,33.02 ; D128.A5 22.86,33.83 ; D128.A5 22.05,33.02 ; D128.A5 22.86,32.21 ; D116.A1 348.79,396.24 ; D116.A1 347.17,396.24 ; D116.A1 347.98,397.05 ; D116.A1 347.98,395.43 ; 164.29,386.08 D431.A15 ; D431.A15 165.1,385.27 ; D431.A15 165.91,386.08 ; D431.A15 165.1,386.89 ; 251.46,60.15 D123.B8 ; D123.B8 252.27,60.96 ; D123.B8 250.65,60.96 ; D123.B8 251.46,61.77 ; D118.A16 198.12,77.01 ; D118.A16 197.31,76.2 ; D118.A16 198.93,76.2 ; D118.A16 198.12,75.39 ; 184.71,83.82 D317.A11 ; D317.A11 185.42,84.53 ; D317.A11 186.13,83.82 ; D317.A11 185.42,83.11 ; D107.B8 398.78,61.77 ; D107.B8 399.59,60.96 ; D107.B8 397.97,60.96 ; D107.B8 398.78,60.15 ; 193.04,331.93 CSDPS229.B4 ; CSDPS229.B4 193.04,333.55 ; CSDPS229.B4 193.85,332.74 ; CSDPS229.B4 192.23,332.74 ; 246.38,39.83 D124.B6 ; D124.B6 246.38,41.45 ; D124.B6 247.19,40.64 ; D124.B6 245.57,40.64 ; 396.24,334.47 D109.A11 ; D109.A11 395.43,335.28 ; D109.A11 396.24,336.09 ; DPS3.C15 269.24,19.86 ; DPS3.C15 269.24,18.24 ; DPS3.C15 270.05,19.05 ; DPS3.C15 268.43,19.05 ; 332.03,63.5 D302.A11 ; D302.A11 332.74,62.79 ; D302.A11 333.45,63.5 ; D302.A11 332.74,64.21 ; 261.62,34.75 D124.A12 ; D124.A12 260.81,35.56 ; D124.A12 262.43,35.56 ; D124.A12 261.62,36.37 ; D130.B8 104.14,82.09 ; D130.B8 104.95,81.28 ; D130.B8 103.33,81.28 ; D130.B8 104.14,80.47 ; 337.01,330.2 D113.B5 ; D113.B5 338.63,330.2 ; D113.B5 337.82,329.39 ; D113.B5 337.82,331.01 ; D110.A15 386.08,356.41 ; D110.A15 385.27,355.6 ; D110.A15 386.89,355.6 ; D110.A15 386.08,354.79 ; 47.45,33.02 D128.A15 ; D128.A15 48.26,32.21 ; D128.A15 49.07,33.02 ; D128.A15 48.26,33.83 ; D116.B10 325.93,388.62 ; D116.B10 324.31,388.62 ; D116.B10 325.12,389.43 ; D116.B10 325.12,387.81 ; 243.03,19.05 DPS3.C05 ; DPS3.C05 244.65,19.05 ; DPS3.C05 243.84,19.86 ; DPS3.C05 243.84,18.24 ; 388.62,326.85 D109.B14 ; D109.B14 387.81,327.66 ; D109.B14 388.62,328.47 ; D109.B14 389.43,327.66 ; 33.02,93.17 D125.A9 ; D125.A9 33.83,93.98 ; D125.A9 33.02,94.79 ; D125.A9 32.21,93.98 ; 332.85,181.33 SITE4.G6 ; SITE4.G6 333.33,181.81 ; SITE4.G6 333.33,180.85 ; SITE4.G6 333.81,181.33 ; 481.65,228.55 UNK2U1.4 ; UNK2U1.4 482.59,229.49 ; UNK2U1.4 483.53,228.55 ; UNK2U1.4 482.59,227.61 ; D322.B1 234.39,68.58 ; D322.B1 233.68,67.87 ; D322.B1 233.68,69.29 ; D322.B1 232.97,68.58 ; 195.58,52.53 D119.A15 ; D119.A15 194.77,53.34 ; D119.A15 195.58,54.15 ; D119.A15 196.39,53.34 ; 96.52,77.93 D130.B5 ; D130.B5 97.33,78.74 ; D130.B5 96.52,79.55 ; D130.B5 95.71,78.74 ; 382.83,71.12 D306.B2 ; D306.B2 384.25,71.12 ; D306.B2 383.54,70.41 ; 175.26,414.48 DPS8.A11 ; DPS8.A11 176.07,415.29 ; DPS8.A11 174.45,415.29 ; DPS8.A11 175.26,416.1 ; D120.B13 190.5,38.91 ; D120.B13 189.69,38.1 ; D120.B13 191.31,38.1 ; D120.B13 190.5,37.29 ; 88.9,39.83 D132.B2 ; D132.B2 89.71,40.64 ; D132.B2 88.09,40.64 ; D132.B2 88.9,41.45 ; 187.25,66.04 D318.A12 ; D318.A12 187.96,65.33 ; D318.A12 188.67,66.04 ; D318.A12 187.96,66.75 ; D103.A8 325.12,56.69 ; D103.A8 325.93,55.88 ; D103.A8 325.12,55.07 ; D103.A8 324.31,55.88 ; 233.68,13.16 DPS3.A01 ; DPS3.A01 233.68,14.78 ; DPS3.A01 232.87,13.97 ; DPS3.A01 234.49,13.97 ; D127.B12 41.45,60.96 ; D127.B12 40.64,60.15 ; D127.B12 39.83,60.96 ; D127.B12 40.64,61.77 ; 197.41,71.12 D318.B16 ; D318.B16 198.83,71.12 ; D318.B16 198.12,71.83 ; D318.B16 198.12,70.41 ; D104.A14 341.17,35.56 ; D104.A14 340.36,34.75 ; D104.A14 340.36,36.37 ; D104.A14 339.55,35.56 ; SITE2.G13 329.51,242.83 ; SITE2.G13 329.03,243.31 ; SITE2.G13 329.03,242.35 ; SITE2.G13 328.55,242.83 ; SITE3.G17 249.03,186.91 ; SITE3.G17 249.51,186.43 ; SITE3.G17 248.55,186.43 ; SITE3.G17 249.03,185.95 ; D106.A6 393.7,77.01 ; D106.A6 394.51,76.2 ; D106.A6 392.89,76.2 ; 248.92,32.21 D124.A7 ; D124.A7 249.73,33.02 ; D124.A7 248.11,33.02 ; D124.A7 248.92,33.83 ; 405.59,38.1 D108.B11 ; D108.B11 406.4,37.29 ; D108.B11 406.4,38.91 ; D108.B11 407.21,38.1 ; 20.32,55.07 D127.A4 ; D127.A4 20.32,56.69 ; D127.A4 21.13,55.88 ; D127.A4 19.51,55.88 ; 403.86,352.25 D110.A8 ; D110.A8 403.86,353.87 ; D110.A8 403.05,353.06 ; D110.A8 404.67,353.06 ; 174.45,73.66 D118.A7 ; D118.A7 175.26,72.85 ; D118.A7 176.07,73.66 ; D118.A7 175.26,74.47 ; D130.A8 104.14,77.01 ; D130.A8 103.33,76.2 ; D130.A8 104.14,75.39 ; D130.A8 104.95,76.2 ; 250.23,182.35 SITE3.G14 ; SITE3.G14 249.75,182.83 ; SITE3.G14 250.23,183.31 ; SITE3.G14 250.71,182.83 ; SITE2.G10 331.33,248.41 ; SITE2.G10 331.33,247.45 ; SITE2.G10 330.85,247.93 ; SITE2.G10 331.81,247.93 ; 49.99,40.64 D128.B16 ; D128.B16 51.61,40.64 ; D128.B16 50.8,41.45 ; D128.B16 50.8,39.83 ; 243.84,13.16 DPS3.A05 ; DPS3.A05 244.65,13.97 ; DPS3.A05 243.84,14.78 ; DPS3.A05 243.03,13.97 ; D110.B3 417.37,350.52 ; D110.B3 416.56,351.33 ; D110.B3 416.56,349.71 ; D110.B3 415.75,350.52 ; D112.A12 394.51,393.7 ; D112.A12 393.7,392.89 ; D112.A12 393.7,394.51 ; D112.A12 392.89,393.7 ; D132.A3 91.44,33.83 ; D132.A3 90.63,33.02 ; D132.A3 91.44,32.21 ; D132.A3 92.25,33.02 ; D125.B1 13.51,99.06 ; D125.B1 12.7,98.25 ; D125.B1 12.7,99.87 ; D125.B1 11.89,99.06 ; D124.B11 259.89,38.1 ; D124.B11 259.08,37.29 ; D124.B11 259.08,38.91 ; D124.B11 258.27,38.1 ; D127.A2 16.05,55.88 ; D127.A2 15.24,55.07 ; D127.A2 15.24,56.69 ; D127.A2 14.43,55.88 ; 322.58,83.11 D301.A7 ; D301.A7 321.87,83.82 ; D301.A7 323.29,83.82 ; D301.A7 322.58,84.53 ; 326.85,375.92 D115.A9 ; D115.A9 327.66,376.73 ; D115.A9 327.66,375.11 ; D115.A9 328.47,375.92 ; D130.A14 120.19,76.2 ; D130.A14 119.38,77.01 ; D130.A14 119.38,75.39 ; D130.A14 118.57,76.2 ; 415.75,58.42 D107.B15 ; D107.B15 417.37,58.42 ; D107.B15 416.56,57.61 ; D107.B15 416.56,59.23 ; D132.B12 114.3,41.45 ; D132.B12 113.49,40.64 ; D132.B12 115.11,40.64 ; D132.B12 114.3,39.83 ; D231.B14 168.45,368.3 ; D231.B14 166.83,368.3 ; D231.B14 167.64,367.49 ; D231.B14 167.64,369.11 ; 347.17,375.92 D115.A1 ; D115.A1 347.98,375.11 ; D115.A1 348.79,375.92 ; D115.A1 347.98,376.73 ; D112.B1 422.45,391.16 ; D112.B1 421.64,391.97 ; D112.B1 420.83,391.16 ; D112.B1 421.64,390.35 ; D110.A13 391.16,356.41 ; D110.A13 391.16,354.79 ; D110.A13 391.97,355.6 ; D110.A13 390.35,355.6 ; 342.09,78.74 D102.B15 ; D102.B15 342.9,77.93 ; D102.B15 343.71,78.74 ; D118.B15 196.39,78.74 ; D118.B15 194.77,78.74 ; D118.B15 195.58,77.93 ; D118.B15 195.58,79.55 ; 408.94,60.15 D107.B12 ; D107.B12 408.13,60.96 ; D107.B12 409.75,60.96 ; D107.B12 408.94,61.77 ; 197.41,66.04 D318.A16 ; D318.A16 198.83,66.04 ; D318.A16 198.12,66.75 ; D318.A16 198.12,65.33 ; 251.85,247.93 SITE1.G11 ; SITE1.G11 252.33,248.41 ; SITE1.G11 252.33,247.45 ; SITE1.G11 252.81,247.93 ; 319.33,66.04 D302.A6 ; D302.A6 320.75,66.04 ; D302.A6 320.04,65.33 ; D302.A6 320.04,66.75 ; D302.A9 327.66,64.21 ; D302.A9 326.95,63.5 ; D302.A9 328.37,63.5 ; D302.A9 327.66,62.79 ; 248.33,187.45 SITE3.G7 ; SITE3.G7 248.33,188.41 ; SITE3.G7 248.81,187.93 ; SITE3.G7 247.85,187.93 ; D123.A6 247.19,55.88 ; D123.A6 245.57,55.88 ; D123.A6 246.38,56.69 ; 269.24,83.11 D321.A15 ; D321.A15 269.24,84.53 ; D321.A15 269.95,83.82 ; D321.A15 268.53,83.82 ; 415.75,370.84 D111.B3 ; D111.B3 417.37,370.84 ; D111.B3 416.56,371.65 ; 43.18,37.29 D128.B13 ; D128.B13 42.37,38.1 ; D128.B13 43.18,38.91 ; D128.B13 43.99,38.1 ; D321.B5 244.55,88.9 ; D321.B5 243.13,88.9 ; D321.B5 243.84,88.19 ; D321.B5 243.84,89.61 ; CSDPS429.C3 195.58,341.17 ; CSDPS429.C3 195.58,339.55 ; CSDPS429.C3 194.77,340.36 ; CSDPS429.C3 196.39,340.36 ; 108.41,76.2 D130.A10 ; D130.A10 109.22,77.01 ; D130.A10 110.03,76.2 ; D130.A10 109.22,75.39 ; 334.47,393.7 D116.A6 ; D116.A6 336.09,393.7 ; D116.A6 335.28,394.51 ; D116.A6 335.28,392.89 ; 189.69,370.84 D231.B5 ; D231.B5 190.5,371.65 ; D231.B5 190.5,370.03 ; D231.B5 191.31,370.84 ; 274.32,339.55 CSDPS425.C1 ; CSDPS425.C1 274.32,341.17 ; CSDPS425.C1 275.13,340.36 ; CSDPS425.C1 273.51,340.36 ; D106.A12 408.94,77.01 ; D106.A12 408.13,76.2 ; D106.A12 408.94,75.39 ; D106.A12 409.75,76.2 ; 189.79,83.82 D317.A13 ; D317.A13 191.21,83.82 ; D317.A13 190.5,84.53 ; D317.A13 190.5,83.11 ; 266.7,55.07 D123.A14 ; D123.A14 265.89,55.88 ; D123.A14 266.7,56.69 ; D123.A14 267.51,55.88 ; 321.77,335.28 D113.A11 ; D113.A11 322.58,336.09 ; D113.A11 322.58,334.47 ; D113.A11 323.39,335.28 ; D131.B3 91.44,59.23 ; D131.B3 90.63,58.42 ; D131.B3 91.44,57.61 ; D131.B3 92.25,58.42 ; D321.A13 264.16,84.53 ; D321.A13 264.87,83.82 ; D321.A13 264.16,83.11 ; D321.A13 263.45,83.82 ; D103.A15 342.9,54.15 ; D103.A15 342.09,53.34 ; D103.A15 342.9,52.53 ; D103.A15 343.71,53.34 ; 235.51,66.04 D322.A2 ; D322.A2 236.22,66.75 ; D322.A2 236.22,65.33 ; D322.A2 236.93,66.04 ; 110.95,99.06 D129.B11 ; D129.B11 111.76,99.87 ; D129.B11 112.57,99.06 ; D129.B11 111.76,98.25 ; D102.A5 317.5,74.47 ; D102.A5 317.5,72.85 ; D102.A5 318.31,73.66 ; D102.A5 316.69,73.66 ; D118.A11 186.23,73.66 ; D118.A11 184.61,73.66 ; D118.A11 185.42,72.85 ; D118.A11 185.42,74.47 ; 337.82,370.03 D115.B5 ; D115.B5 337.82,371.65 ; D115.B5 337.01,370.84 ; D115.B5 338.63,370.84 ; D322.A16 272.49,66.04 ; D322.A16 271.78,65.33 ; D322.A16 271.07,66.04 ; D322.A16 271.78,66.75 ; D111.A9 401.32,376.73 ; D111.A9 402.13,375.92 ; D111.A9 400.51,375.92 ; D111.A9 401.32,375.11 ; D231.A11 176.07,375.92 ; D231.A11 175.26,376.73 ; D231.A11 175.26,375.11 ; D231.A11 174.45,375.92 ; 182.07,378.46 D431.B8 ; D431.B8 183.69,378.46 ; D431.B8 182.88,377.65 ; D431.B8 182.88,379.27 ; SITE2.G11 332.81,247.93 ; SITE2.G11 331.85,247.93 ; SITE2.G11 332.33,247.45 ; SITE2.G11 332.33,248.41 ; D129.B16 124.46,102.41 ; D129.B16 124.46,100.79 ; D129.B16 123.65,101.6 ; D129.B16 125.27,101.6 ; 347.98,390.35 D116.B1 ; D116.B1 348.79,391.16 ; D116.B1 347.17,391.16 ; D116.B1 347.98,391.97 ; 252.85,241.33 SITE1.G6 ; SITE1.G6 253.33,241.81 ; SITE1.G6 253.33,240.85 ; SITE1.G6 253.81,241.33 ; D124.A9 254,33.83 ; D124.A9 254,32.21 ; D124.A9 253.19,33.02 ; D124.A9 254.81,33.02 ; 403.05,368.3 D111.B8 ; D111.B8 403.86,367.49 ; D111.B8 403.86,369.11 ; D111.B8 404.67,368.3 ; 261.62,55.07 D123.A12 ; D123.A12 262.43,55.88 ; D123.A12 260.81,55.88 ; D123.A12 261.62,56.69 ; SITE1.G19 251.91,246.43 ; SITE1.G19 250.95,246.43 ; SITE1.G19 251.43,246.91 ; SITE1.G19 251.43,245.95 ; D431.A8 182.88,384.35 ; D431.A8 182.07,383.54 ; D431.A8 183.69,383.54 ; D431.A8 182.88,382.73 ; UNK3U2.4 97.4,176.4 ; UNK3U2.4 96.46,175.46 ; UNK3U2.4 98.34,175.46 ; UNK3U2.4 97.4,174.52 ; D128.A11 38.1,33.83 ; D128.A11 37.29,33.02 ; D128.A11 38.91,33.02 ; D128.A11 38.1,32.21 ; D302.B5 317.5,69.29 ; D302.B5 316.79,68.58 ; D302.B5 317.5,67.87 ; D302.B5 318.21,68.58 ; D132.B14 119.38,41.45 ; D132.B14 120.19,40.64 ; D132.B14 118.57,40.64 ; D132.B14 119.38,39.83 ; D126.B6 26.21,81.28 ; D126.B6 24.59,81.28 ; D126.B6 25.4,82.09 ; D126.B6 25.4,80.47 ; D306.B11 406.4,69.29 ; D306.B11 405.69,68.58 ; D306.B11 407.11,68.58 ; D306.B11 406.4,67.87 ; D116.A8 331.01,393.7 ; D116.A8 330.2,392.89 ; D116.A8 329.39,393.7 ; D116.A8 330.2,394.51 ; 264.16,77.93 D122.B13 ; D122.B13 264.16,79.55 ; D122.B13 263.35,78.74 ; D122.B13 264.97,78.74 ; D111.A6 408.94,374.19 ; D111.A6 408.94,372.57 ; D111.A6 409.75,373.38 ; D111.A6 408.13,373.38 ; D118.B9 180.34,79.55